# Allegro board 8880F5-0825_4.brd (continued)
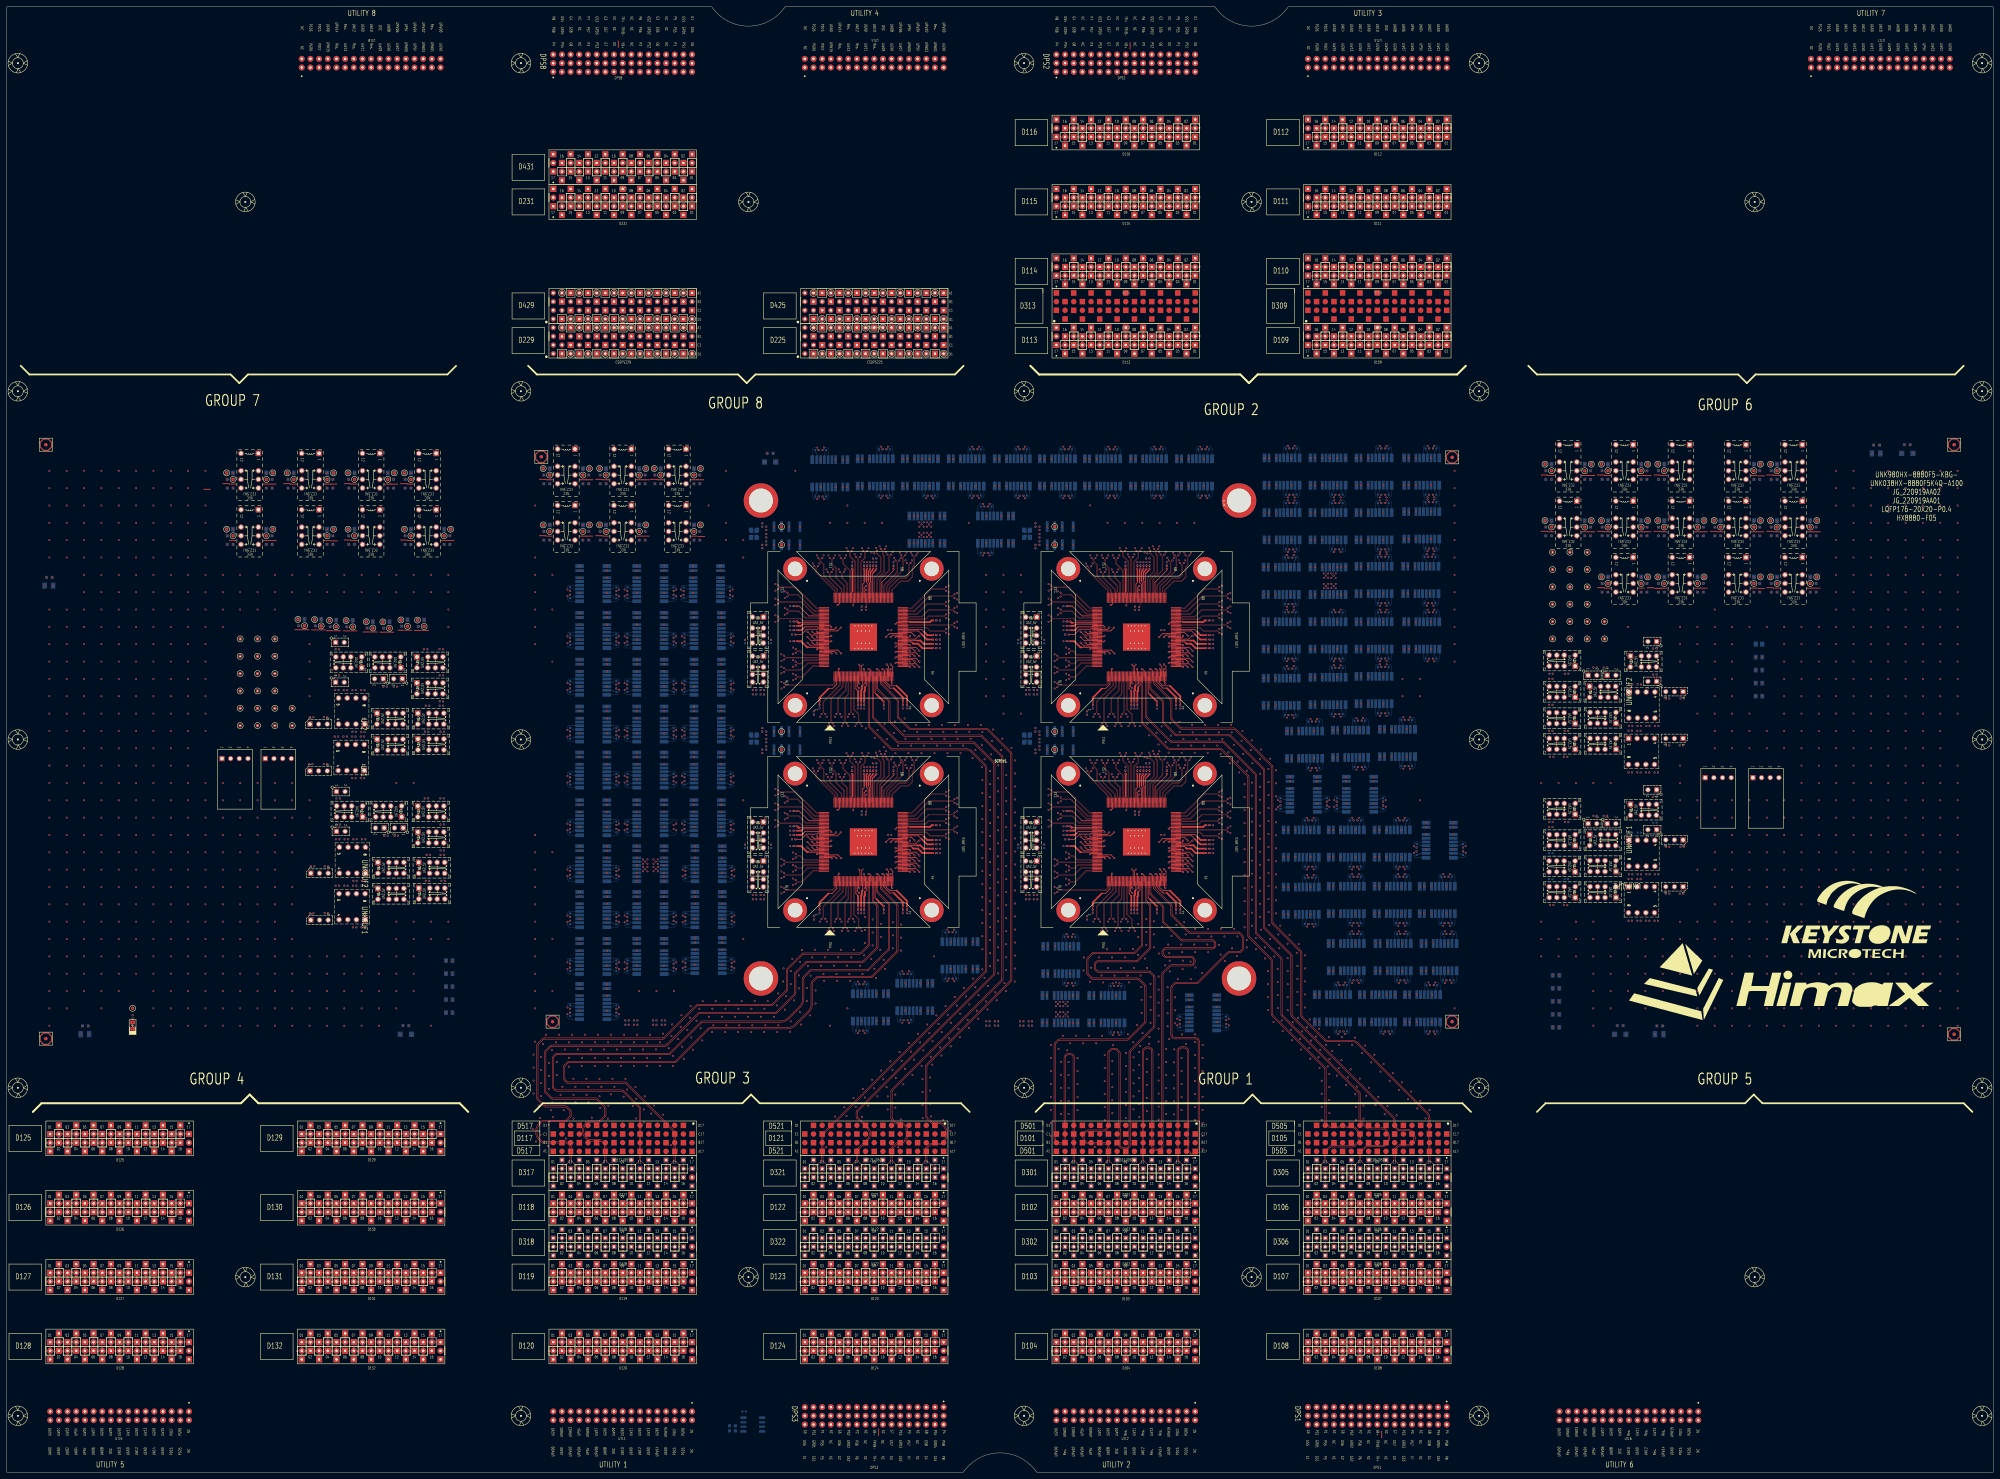
[diagram p0: board, top side]
## Routing (per net, layer and track width the routed paths; a pad name or vN(x,y) marks a point on that pad's centre or on a via; arc(x,y) is an arc through that point) (continued)
; 390.35,19.05 DPS1.C05 ; DPS1.C05 391.97,19.05 ; DPS1.C05 391.16,19.86 ; DPS1.C05 391.16,18.24 ; D106.A5 391.16,74.47 ; D106.A5 391.16,72.85 ; D106.A5 391.97,73.66 ; D106.A5 390.35,73.66 ; D114.B15 312.42,351.33 ; D114.B15 313.23,350.52 ; D114.B15 311.61,350.52 ; D114.B15 312.42,349.71 ; D306.B5 391.87,68.58 ; D306.B5 390.45,68.58 ; D306.B5 391.16,69.29 ; D306.B5 391.16,67.87 ; 195.58,83.11 D317.A15 ; D317.A15 194.87,83.82 ; D317.A15 195.58,84.53 ; D317.A15 196.29,83.82 ; SITE1.G4 251.81,241.33 ; SITE1.G4 250.85,241.33 ; SITE1.G4 251.33,241.81 ; SITE1.G4 251.33,240.85 ; 40.64,39.83 D128.B12 ; D128.B12 39.83,40.64 ; D128.B12 40.64,41.45 ; D128.B12 41.45,40.64 ; 337.82,395.43 D116.A5 ; D116.A5 337.01,396.24 ; D116.A5 337.82,397.05 ; D116.A5 338.63,396.24 ; D122.A15 270.05,73.66 ; D122.A15 268.43,73.66 ; D122.A15 269.24,74.47 ; D122.A15 269.24,72.85 ; D110.B14 388.62,348.79 ; D110.B14 388.62,347.17 ; D110.B14 389.43,347.98 ; D110.B14 387.81,347.98 ; CSDPS229.B16 163.37,332.74 ; CSDPS229.B16 161.75,332.74 ; CSDPS229.B16 162.56,331.93 ; CSDPS229.B16 162.56,333.55 ; D115.B6 336.09,368.3 ; D115.B6 334.47,368.3 ; D115.B6 335.28,369.11 ; D115.B6 335.28,367.49 ; D102.B11 333.55,78.74 ; D102.B11 332.74,79.55 ; D102.B11 331.93,78.74 ; D102.B11 332.74,77.93 ; SITE4.G11 332.33,188.41 ; SITE4.G11 332.81,187.93 ; SITE4.G11 331.85,187.93 ; SITE4.G11 332.33,187.45 ; D128.A12 41.45,35.56 ; D128.A12 40.64,34.75 ; D128.A12 39.83,35.56 ; D128.A12 40.64,36.37 ; D127.B4 20.32,61.77 ; D127.B4 21.13,60.96 ; D127.B4 19.51,60.96 ; D127.B4 20.32,60.15 ; D321.A14 266.7,87.07 ; D321.A14 265.99,86.36 ; D321.A14 267.41,86.36 ; D321.A14 266.7,85.65 ; D107.B3 386.08,59.23 ; D107.B3 386.89,58.42 ; D107.B3 386.08,57.61 ; D107.B3 385.27,58.42 ; D301.B2 309.88,92.15 ; D301.B2 309.88,90.73 ; D301.B2 310.59,91.44 ; D301.B2 309.17,91.44 ; 383.54,90.73 D305.B2 ; D305.B2 382.83,91.44 ; D305.B2 384.25,91.44 ; D305.B2 383.54,92.15 ; SITE2.G8 329.33,248.41 ; SITE2.G8 328.85,247.93 ; SITE2.G8 329.81,247.93 ; SITE2.G8 329.33,247.45 ; D301.B7 322.58,89.61 ; D301.B7 323.29,88.9 ; D301.B7 321.87,88.9 ; D301.B7 322.58,88.19 ; 179.53,386.08 D431.A9 ; D431.A9 180.34,386.89 ; D431.A9 181.15,386.08 ; D431.A9 180.34,385.27 ; 86.36,98.25 D129.B1 ; D129.B1 85.55,99.06 ; D129.B1 86.36,99.87 ; D129.B1 87.17,99.06 ; 99.06,60.15 D131.B6 ; D131.B6 98.25,60.96 ; D131.B6 99.06,61.77 ; D131.B6 99.87,60.96 ; 171.91,55.88 D119.A6 ; D119.A6 172.72,55.07 ; D119.A6 173.53,55.88 ; D119.A6 172.72,56.69 ; 332.74,57.61 D103.B11 ; D103.B11 332.74,59.23 ; D103.B11 331.93,58.42 ; D103.B11 333.55,58.42 ; 398.78,331.93 D109.A10 ; D109.A10 399.59,332.74 ; D109.A10 397.97,332.74 ; D109.A10 398.78,333.55 ; D102.B1 307.34,79.55 ; D102.B1 308.15,78.74 ; D102.B1 306.53,78.74 ; D102.B1 307.34,77.93 ; D123.A16 271.78,56.69 ; D123.A16 271.78,55.07 ; D123.A16 270.97,55.88 ; D123.A16 272.59,55.88 ; 415.85,68.58 D306.B15 ; D306.B15 416.56,67.87 ; D306.B15 416.56,69.29 ; D306.B15 417.27,68.58 ; D322.B16 271.78,71.83 ; D322.B16 272.49,71.12 ; D322.B16 271.78,70.41 ; D322.B16 271.07,71.12 ; 332.15,242.83 SITE2.G16 ; SITE2.G16 332.63,242.35 ; SITE2.G16 332.63,243.31 ; SITE2.G16 333.11,242.83 ; D317.A3 165.1,84.53 ; D317.A3 165.1,83.11 ; D317.A3 164.39,83.82 ; D317.A3 165.81,83.82 ; D122.A4 242.11,76.2 ; D122.A4 241.3,77.01 ; D122.A4 241.3,75.39 ; D122.A4 240.49,76.2 ; 249.03,242.35 SITE1.G13 ; SITE1.G13 249.03,243.31 ; SITE1.G13 249.51,242.83 ; SITE1.G13 248.55,242.83 ; D114.A9 328.47,355.6 ; D114.A9 326.85,355.6 ; D114.A9 327.66,356.41 ; D114.A9 327.66,354.79 ; D104.A2 309.88,36.37 ; D104.A2 310.69,35.56 ; D104.A2 309.88,34.75 ; D104.A2 309.07,35.56 ; 195.58,37.29 D120.B15 ; D120.B15 196.39,38.1 ; D120.B15 194.77,38.1 ; D120.B15 195.58,38.91 ; D124.A1 234.49,33.02 ; D124.A1 233.68,33.83 ; D124.A1 233.68,32.21 ; D124.A1 232.87,33.02 ; 259.08,57.61 D123.B11 ; D123.B11 258.27,58.42 ; D123.B11 259.89,58.42 ; D123.B11 259.08,59.23 ; 241.3,80.47 D122.B4 ; D122.B4 241.3,82.09 ; D122.B4 242.11,81.28 ; D122.B4 240.49,81.28 ; 268.43,340.36 CSDPS425.C3 ; CSDPS425.C3 269.24,341.17 ; CSDPS425.C3 269.24,339.55 ; CSDPS425.C3 270.05,340.36 ; 45.72,100.79 D125.B14 ; D125.B14 44.91,101.6 ; D125.B14 46.53,101.6 ; D125.B14 45.72,102.41 ; 189.69,33.02 D120.A13 ; D120.A13 191.31,33.02 ; D120.A13 190.5,33.83 ; D120.A13 190.5,32.21 ; D110.A16 384.35,353.06 ; D110.A16 382.73,353.06 ; D110.A16 383.54,353.87 ; D110.A16 383.54,352.25 ; UNK2U2.4 482.49,215.88 ; UNK2U2.4 482.49,214 ; UNK2U2.4 483.43,214.94 ; UNK2U2.4 481.55,214.94 ; D132.A6 99.87,35.56 ; D132.A6 99.06,34.75 ; D132.A6 99.06,36.37 ; D132.A6 98.25,35.56 ; 387.81,40.64 D108.B4 ; D108.B4 388.62,39.83 ; D108.B4 389.43,40.64 ; D108.B4 388.62,41.45 ; D306.A15 417.27,63.5 ; D306.A15 416.56,64.21 ; D306.A15 415.85,63.5 ; D306.A15 416.56,62.79 ; UNK3U1.4 98.23,161.85 ; UNK3U1.4 97.29,162.79 ; UNK3U1.4 96.35,161.85 ; UNK3U1.4 97.29,160.91 ; SITE3.G13 249.51,182.83 ; SITE3.G13 249.03,182.35 ; SITE3.G13 248.55,182.83 ; SITE3.G13 249.03,183.31 ; 197.31,40.64 D120.B16 ; D120.B16 198.12,39.83 ; D120.B16 198.93,40.64 ; D120.B16 198.12,41.45 ; D124.B1 233.68,38.91 ; D124.B1 232.87,38.1 ; D124.B1 233.68,37.29 ; D124.B1 234.49,38.1 ; 187.96,60.15 D119.B12 ; D119.B12 187.15,60.96 ; D119.B12 187.96,61.77 ; D119.B12 188.77,60.96 ; CSDPS225.B12 246.38,333.55 ; CSDPS225.B12 246.38,331.93 ; CSDPS225.B12 247.19,332.74 ; CSDPS225.B12 245.57,332.74 ; D130.B9 106.68,79.55 ; D130.B9 107.49,78.74 ; D130.B9 106.68,77.93 ; D130.B9 105.87,78.74 ; DPS8.A15 165.91,415.29 ; DPS8.A15 164.29,415.29 ; DPS8.A15 165.1,414.48 ; DPS8.A15 165.1,416.1 ; 176.99,55.88 D119.A8 ; D119.A8 178.61,55.88 ; D119.A8 177.8,56.69 ; D119.A8 177.8,55.07 ; D124.A12 261.62,36.37 ; D124.A12 261.62,34.75 ; D124.A12 262.43,35.56 ; D124.A12 260.81,35.56 ; 233.68,67.87 D322.B1 ; D322.B1 234.39,68.58 ; D322.B1 232.97,68.58 ; D322.B1 233.68,69.29 ; 124.46,39.83 D132.B16 ; D132.B16 125.27,40.64 ; D132.B16 124.46,41.45 ; D132.B16 123.65,40.64 ; D107.B13 412.29,58.42 ; D107.B13 410.67,58.42 ; D107.B13 411.48,57.61 ; D107.B13 411.48,59.23 ; D115.B12 320.04,369.11 ; D115.B12 319.23,368.3 ; D115.B12 320.85,368.3 ; D115.B12 320.04,367.49 ; D120.A6 172.72,36.37 ; D120.A6 171.91,35.56 ; D120.A6 172.72,34.75 ; D120.A6 173.53,35.56 ; D318.A16 198.83,66.04 ; D318.A16 198.12,65.33 ; D318.A16 197.41,66.04 ; D318.A16 198.12,66.75 ; 263.45,88.9 D321.B13 ; D321.B13 264.16,88.19 ; D321.B13 264.16,89.61 ; D321.B13 264.87,88.9 ; 482.59,227.61 UNK2U1.4 ; UNK2U1.4 481.65,228.55 ; UNK2U1.4 482.59,229.49 ; UNK2U1.4 483.53,228.55 ; D110.B9 401.32,351.33 ; D110.B9 401.32,349.71 ; D110.B9 402.13,350.52 ; D110.B9 400.51,350.52 ; D317.B9 180.34,89.61 ; D317.B9 179.63,88.9 ; D317.B9 180.34,88.19 ; D317.B9 181.05,88.9 ; SITE3.G16 253.11,182.83 ; SITE3.G16 252.63,182.35 ; SITE3.G16 252.63,183.31 ; SITE3.G16 252.15,182.83 ; 166.83,373.38 D231.A14 ; D231.A14 167.64,372.57 ; D231.A14 167.64,374.19 ; D231.A14 168.45,373.38 ; D115.A5 337.82,376.73 ; D115.A5 338.63,375.92 ; D115.A5 337.82,375.11 ; D115.A5 337.01,375.92 ; D305.B4 389.33,91.44 ; D305.B4 387.91,91.44 ; D305.B4 388.62,92.15 ; D305.B4 388.62,90.73 ; D130.B16 124.46,82.09 ; D130.B16 124.46,80.47 ; D130.B16 123.65,81.28 ; D130.B16 125.27,81.28 ; 245.67,66.04 D322.A6 ; D322.A6 246.38,66.75 ; D322.A6 246.38,65.33 ; D322.A6 247.09,66.04 ; D122.A9 254,74.47 ; D122.A9 254.81,73.66 ; D122.A9 254,72.85 ; D122.A9 253.19,73.66 ; D104.B16 346.25,40.64 ; D104.B16 345.44,39.83 ; D104.B16 344.63,40.64 ; D104.B16 345.44,41.45 ; 245.57,40.64 D124.B6 ; D124.B6 247.19,40.64 ; D124.B6 246.38,39.83 ; D124.B6 246.38,41.45 ; D317.B13 190.5,89.61 ; D317.B13 190.5,88.19 ; D317.B13 191.21,88.9 ; D317.B13 189.79,88.9 ; D302.A7 322.58,64.21 ; D302.A7 321.87,63.5 ; D302.A7 322.58,62.79 ; D302.A7 323.29,63.5 ; D132.B2 89.71,40.64 ; D132.B2 88.09,40.64 ; D132.B2 88.9,41.45 ; D132.B2 88.9,39.83 ; D107.A2 383.54,56.69 ; D107.A2 383.54,55.07 ; D107.A2 382.73,55.88 ; D107.A2 384.35,55.88 ; D431.B16 163.37,378.46 ; D431.B16 161.75,378.46 ; D431.B16 162.56,379.27 ; D431.B16 162.56,377.65 ; D120.B5 170.99,38.1 ; D120.B5 170.18,38.91 ; D120.B5 170.18,37.29 ; D120.B5 169.37,38.1 ; 95.71,38.1 D132.B5 ; D132.B5 97.33,38.1 ; D132.B5 96.52,37.29 ; D132.B5 96.52,38.91 ; D115.B1 348.79,370.84 ; D115.B1 347.98,371.65 ; D115.B1 347.98,370.03 ; D115.B1 347.17,370.84 ; 403.05,388.62 D112.B8 ; D112.B8 403.86,389.43 ; D112.B8 404.67,388.62 ; D112.B8 403.86,387.81 ; 326.95,88.9 D301.B9 ; D301.B9 327.66,88.19 ; D301.B9 328.37,88.9 ; D301.B9 327.66,89.61 ; 175.26,375.11 D231.A11 ; D231.A11 174.45,375.92 ; D231.A11 176.07,375.92 ; D231.A11 175.26,376.73 ; D231.B10 178.61,368.3 ; D231.B10 176.99,368.3 ; D231.B10 177.8,369.11 ; D231.B10 177.8,367.49 ; D231.A7 185.42,376.73 ; D231.A7 185.42,375.11 ; D231.A7 186.23,375.92 ; D231.A7 184.61,375.92 ; 319.23,60.96 D103.B6 ; D103.B6 320.85,60.96 ; D103.B6 320.04,60.15 ; D103.B6 320.04,61.77 ; D122.A8 251.46,77.01 ; D122.A8 251.46,75.39 ; D122.A8 250.65,76.2 ; D122.A8 252.27,76.2 ; D106.B5 391.97,78.74 ; D106.B5 391.16,77.93 ; D106.B5 391.16,79.55 ; D106.B5 390.35,78.74 ; D110.B10 398.78,348.79 ; D110.B10 398.78,347.17 ; D110.B10 399.59,347.98 ; D110.B10 397.97,347.98 ; 382.83,71.12 D306.B2 ; D306.B2 384.25,71.12 ; D306.B2 383.54,70.41 ; D306.B2 383.54,71.83 ; D131.B3 92.25,58.42 ; D131.B3 91.44,59.23 ; D131.B3 91.44,57.61 ; D131.B3 90.63,58.42 ; D131.A12 115.11,55.88 ; D131.A12 114.3,56.69 ; D131.A12 114.3,55.07 ; D131.A12 113.49,55.88 ; 388.62,60.15 D107.B4 ; D107.B4 387.81,60.96 ; D107.B4 388.62,61.77 ; D107.B4 389.43,60.96 ; CSDPS229.C11 175.26,331.01 ; CSDPS229.C11 174.45,330.2 ; CSDPS229.C11 176.07,330.2 ; CSDPS229.C11 175.26,329.39 ; 258.27,19.05 DPS3.C11 ; DPS3.C11 259.08,18.24 ; DPS3.C11 259.89,19.05 ; DPS3.C11 259.08,19.86 ; 408.13,76.2 D106.A12 ; D106.A12 408.94,77.01 ; D106.A12 408.94,75.39 ; D106.A12 409.75,76.2 ; 86.36,93.17 D129.A1 ; D129.A1 85.55,93.98 ; D129.A1 86.36,94.79 ; D129.A1 87.17,93.98 ; 398.78,60.15 D107.B8 ; D107.B8 397.97,60.96 ; D107.B8 399.59,60.96 ; D107.B8 398.78,61.77 ; 388.62,326.85 D109.B14 ; D109.B14 389.43,327.66 ; D109.B14 387.81,327.66 ; D109.B14 388.62,328.47 ; D106.A10 404.67,76.2 ; D106.A10 403.86,77.01 ; D106.A10 403.05,76.2 ; D106.A10 403.86,75.39 ; 35.56,95.71 D125.A10 ; D125.A10 35.56,97.33 ; D125.A10 34.75,96.52 ; D125.A10 36.37,96.52 ; 159.21,38.1 D120.B1 ; D120.B1 160.02,38.91 ; D120.B1 160.83,38.1 ; D120.B1 160.02,37.29 ; 169.47,63.5 D318.A5 ; D318.A5 170.18,62.79 ; D318.A5 170.18,64.21 ; D318.A5 170.89,63.5 ; 317.5,57.61 D103.B5 ; D103.B5 318.31,58.42 ; D103.B5 317.5,59.23 ; D103.B5 316.69,58.42 ; 316.79,63.5 D302.A5 ; D302.A5 318.21,63.5 ; D302.A5 317.5,64.21 ; D302.A5 317.5,62.79 ; 393.7,372.57 D111.A12 ; D111.A12 394.51,373.38 ; D111.A12 392.89,373.38 ; D111.A12 393.7,374.19 ; 169.37,330.2 CSDPS229.C13 ; CSDPS229.C13 170.99,330.2 ; CSDPS229.C13 170.18,329.39 ; CSDPS229.C13 170.18,331.01 ; 266.7,342.09 CSDPS425.B4 ; CSDPS425.B4 267.51,342.9 ; CSDPS425.B4 266.7,343.71 ; CSDPS425.B4 265.89,342.9 ; 392.99,66.04 D306.A6 ; D306.A6 393.7,65.33 ; D306.A6 394.41,66.04 ; D306.A6 393.7,66.75 ; 392.89,347.98 D110.B12 ; D110.B12 393.7,348.79 ; D110.B12 394.51,347.98 ; D110.B12 393.7,347.17 ; D128.B3 17.78,38.91 ; D128.B3 16.97,38.1 ; D128.B3 17.78,37.29 ; D128.B3 18.59,38.1 ; 317.5,72.85 D102.A5 ; D102.A5 318.31,73.66 ; D102.A5 317.5,74.47 ; D102.A5 316.69,73.66 ; D118.A10 183.69,76.2 ; D118.A10 182.88,75.39 ; D118.A10 182.88,77.01 ; D118.A10 182.07,76.2 ; 189.79,68.58 D318.B13 ; D318.B13 190.5,67.87 ; D318.B13 190.5,69.29 ; D318.B13 191.21,68.58 ; D231.B9 181.15,370.84 ; D231.B9 179.53,370.84 ; D231.B9 180.34,371.65 ; D231.B9 180.34,370.03 ; D302.A16 346.15,66.04 ; D302.A16 345.44,66.75 ; D302.A16 344.73,66.04 ; D302.A16 345.44,65.33 ; D120.B6 172.72,41.45 ; D120.B6 171.91,40.64 ; D120.B6 173.53,40.64 ; D120.B6 172.72,39.83 ; D306.A4 389.33,66.04 ; D306.A4 387.91,66.04 ; D306.A4 388.62,65.33 ; D306.A4 388.62,66.75 ; D131.A16 124.46,56.69 ; D131.A16 125.27,55.88 ; D131.A16 124.46,55.07 ; D131.A16 123.65,55.88 ; D322.B8 252.17,71.12 ; D322.B8 251.46,70.41 ; D322.B8 251.46,71.83 ; D322.B8 250.75,71.12 ; D122.B9 254.81,78.74 ; D122.B9 253.19,78.74 ; D122.B9 254,77.93 ; D122.B9 254,79.55 ; D102.B15 343.71,78.74 ; D102.B15 342.09,78.74 ; D102.B15 342.9,77.93 ; D102.B15 342.9,79.55 ; CSDPS225.B2 272.59,332.74 ; CSDPS225.B2 270.97,332.74 ; CSDPS225.B2 271.78,331.93 ; CSDPS225.B2 271.78,333.55 ; 403.86,85.65 D305.A10 ; D305.A10 403.86,87.07 ; D305.A10 404.57,86.36 ; D305.A10 403.15,86.36 ; 111.76,32.21 D132.A11 ; D132.A11 111.76,33.83 ; D132.A11 112.57,33.02 ; D132.A11 110.95,33.02 ; D114.B8 330.2,348.79 ; D114.B8 329.39,347.98 ; D114.B8 331.01,347.98 ; D114.B8 330.2,347.17 ; D116.B16 309.88,389.43 ; D116.B16 309.07,388.62 ; D116.B16 309.88,387.81 ; D116.B16 310.69,388.62 ; 311.61,375.92 D115.A15 ; D115.A15 313.23,375.92 ; D115.A15 312.42,376.73 ; D115.A15 312.42,375.11 ; 193.04,382.73 D431.A4 ; D431.A4 193.85,383.54 ; D431.A4 193.04,384.35 ; D431.A4 192.23,383.54 ; 342.9,375.11 D115.A3 ; D115.A3 342.09,375.92 ; D115.A3 342.9,376.73 ; D115.A3 343.71,375.92 ; D118.A8 177.8,77.01 ; D118.A8 178.61,76.2 ; D118.A8 176.99,76.2 ; D118.A8 177.8,75.39 ; 406.4,354.79 D110.A7 ; D110.A7 406.4,356.41 ; D110.A7 405.59,355.6 ; D110.A7 407.21,355.6 ; D305.A16 419.81,86.36 ; D305.A16 419.1,85.65 ; D305.A16 418.39,86.36 ; D305.A16 419.1,87.07 ; 90.63,73.66 D130.A3 ; D130.A3 91.44,72.85 ; D130.A3 92.25,73.66 ; D130.A3 91.44,74.47 ; 32.21,73.66 D126.A9 ; D126.A9 33.02,74.47 ; D126.A9 33.02,72.85 ; D126.A9 33.83,73.66 ; D123.A7 248.92,54.15 ; D123.A7 248.11,53.34 ; D123.A7 249.73,53.34 ; D123.A7 248.92,52.53 ; CSDPS429.B16 163.37,342.9 ; CSDPS429.B16 161.75,342.9 ; CSDPS429.B16 162.56,342.09 ; CSDPS429.B16 162.56,343.71 ; D102.A12 335.28,77.01 ; D102.A12 334.47,76.2 ; D102.A12 336.09,76.2 ; D102.A12 335.28,75.39 ; D318.A13 190.5,64.21 ; D318.A13 191.21,63.5 ; D318.A13 189.79,63.5 ; D318.A13 190.5,62.79 ; D305.A14 414.73,86.36 ; D305.A14 414.02,87.07 ; D305.A14 414.02,85.65 ; D305.A14 413.31,86.36 ; 339.65,71.12 D302.B14 ; D302.B14 340.36,70.41 ; D302.B14 340.36,71.83 ; D302.B14 341.07,71.12 ; 167.64,85.65 D317.A4 ; D317.A4 167.64,87.07 ; D317.A4 168.35,86.36 ; D317.A4 166.93,86.36 ; 269.24,13.16 DPS3.A15 ; DPS3.A15 269.24,14.78 ; DPS3.A15 270.05,13.97 ; DPS3.A15 268.43,13.97 ; 385.27,38.1 D108.B3 ; D108.B3 386.08,37.29 ; D108.B3 386.08,38.91 ; D108.B3 386.89,38.1 ; D302.A4 315.67,66.04 ; D302.A4 314.96,66.75 ; D302.A4 314.25,66.04 ; D302.A4 314.96,65.33 ; 317.5,67.87 D302.B5 ; D302.B5 316.79,68.58 ; D302.B5 318.21,68.58 ; D302.B5 317.5,69.29 ; D318.B3 165.1,69.29 ; D318.B3 164.39,68.58 ; D318.B3 165.1,67.87 ; D318.B3 165.81,68.58 ; 344.63,373.38 D115.A2 ; D115.A2 345.44,372.57 ; D115.A2 346.25,373.38 ; D115.A2 345.44,374.19 ; 248.92,32.21 D124.A7 ; D124.A7 249.73,33.02 ; D124.A7 248.11,33.02 ; D124.A7 248.92,33.83 ; D113.A1 347.98,336.09 ; D113.A1 347.98,334.47 ; D113.A1 347.17,335.28 ; D113.A1 348.79,335.28 ; 15.24,34.75 D128.A2 ; D128.A2 15.24,36.37 ; D128.A2 16.05,35.56 ; D128.A2 14.43,35.56 ; 195.58,57.61 D119.B15 ; D119.B15 194.77,58.42 ; D119.B15 195.58,59.23 ; D119.B15 196.39,58.42 ; 322.58,334.47 D113.A11 ; D113.A11 321.77,335.28 ; D113.A11 323.39,335.28 ; D113.A11 322.58,336.09 ; 386.08,390.35 D112.B15 ; D112.B15 385.27,391.16 ; D112.B15 386.89,391.16 ; D112.B15 386.08,391.97 ; D113.A16 309.88,333.55 ; D113.A16 310.69,332.74 ; D113.A16 309.88,331.93 ; D113.A16 309.07,332.74 ; D129.B6 99.87,101.6 ; D129.B6 99.06,100.79 ; D129.B6 98.25,101.6 ; D129.B6 99.06,102.41 ; D129.A10 109.22,97.33 ; D129.A10 110.03,96.52 ; D129.A10 108.41,96.52 ; D129.A10 109.22,95.71 ; D114.A6 335.28,353.87 ; D114.A6 336.09,353.06 ; D114.A6 334.47,353.06 ; D114.A6 335.28,352.25 ; D301.A11 333.45,83.82 ; D301.A11 332.74,84.53 ; D301.A11 332.03,83.82 ; D301.A11 332.74,83.11 ; 419.1,387.81 D112.B2 ; D112.B2 419.1,389.43 ; D112.B2 419.91,388.62 ; D112.B2 418.29,388.62 ; D120.B10 183.69,40.64 ; D120.B10 182.07,40.64 ; D120.B10 182.88,41.45 ; D120.B10 182.88,39.83 ; 322.58,395.43 D116.A11 ; D116.A11 323.39,396.24 ; D116.A11 321.77,396.24 ; D116.A11 322.58,397.05 ; D125.A16 50.8,97.33 ; D125.A16 51.61,96.52 ; D125.A16 49.99,96.52 ; D125.A16 50.8,95.71 ; 179.53,381 D431.B9 ; D431.B9 181.15,381 ; D431.B9 180.34,380.19 ; D431.B9 180.34,381.81 ; 187.96,85.65 D317.A12 ; D317.A12 187.25,86.36 ; D317.A12 187.96,87.07 ; D317.A12 188.67,86.36 ; D305.A1 381.71,83.82 ; D305.A1 380.29,83.82 ; D305.A1 381,84.53 ; D305.A1 381,83.11 ; 193.04,372.57 D231.A4 ; D231.A4 192.23,373.38 ; D231.A4 193.04,374.19 ; D231.A4 193.85,373.38 ; 108.41,81.28 D130.B10 ; D130.B10 110.03,81.28 ; D130.B10 109.22,80.47 ; D130.B10 109.22,82.09 ; 164.29,340.36 CSDPS429.C15 ; CSDPS429.C15 165.91,340.36 ; CSDPS429.C15 165.1,341.17 ; CSDPS429.C15 165.1,339.55 ; 11.89,58.42 D127.B1 ; D127.B1 12.7,59.23 ; D127.B1 12.7,57.61 ; D127.B1 13.51,58.42 ; D120.A3 165.1,33.83 ; D120.A3 165.91,33.02 ; D120.A3 165.1,32.21 ; D120.A3 164.29,33.02 ; 175.26,32.21 D120.A7 ; D120.A7 174.45,33.02 ; D120.A7 176.07,33.02 ; D120.A7 175.26,33.83 ; D321.B3 238.76,89.61 ; D321.B3 238.05,88.9 ; D321.B3 239.47,88.9 ; D321.B3 238.76,88.19 ; D131.B15 121.92,59.23 ; D131.B15 121.11,58.42 ; D131.B15 122.73,58.42 ; D131.B15 121.92,57.61 ; 39.83,81.28 D126.B12 ; D126.B12 41.45,81.28 ; D126.B12 40.64,80.47 ; D126.B12 40.64,82.09 ; D231.B8 182.88,369.11 ; D231.B8 182.88,367.49 ; D231.B8 182.07,368.3 ; D231.B8 183.69,368.3 ; D305.B16 419.81,91.44 ; D305.B16 418.39,91.44 ; D305.B16 419.1,92.15 ; D305.B16 419.1,90.73 ; 113.49,76.2 D130.A12 ; D130.A12 114.3,75.39 ; D130.A12 114.3,77.01 ; D130.A12 115.11,76.2 ; 243.84,32.21 D124.A5 ; D124.A5 244.65,33.02 ; D124.A5 243.03,33.02 ; D124.A5 243.84,33.83 ; 330.2,80.47 D102.B10 ; D102.B10 329.39,81.28 ; D102.B10 330.2,82.09 ; D102.B10 331.01,81.28 ; 238.05,68.58 D322.B3 ; D322.B3 238.76,67.87 ; D322.B3 239.47,68.58 ; D322.B3 238.76,69.29 ; D124.B9 254,38.91 ; D124.B9 253.19,38.1 ; D124.B9 254,37.29 ; D124.B9 254.81,38.1 ; CSDPS425.B12 246.38,343.71 ; CSDPS425.B12 245.57,342.9 ; CSDPS425.B12 247.19,342.9 ; CSDPS425.B12 246.38,342.09 ; 200.66,329.39 CSDPS229.C1 ; CSDPS229.C1 200.66,331.01 ; CSDPS229.C1 199.85,330.2 ; CSDPS229.C1 201.47,330.2 ; D111.B11 396.24,371.65 ; D111.B11 396.24,370.03 ; D111.B11 395.43,370.84 ; D111.B11 397.05,370.84 ; D103.A5 318.31,53.34 ; D103.A5 316.69,53.34 ; D103.A5 317.5,54.15 ; D103.A5 317.5,52.53 ; 49.99,101.6 D125.B16 ; D125.B16 50.8,102.41 ; D125.B16 50.8,100.79 ; D125.B16 51.61,101.6 ; D114.B13 317.5,351.33 ; D114.B13 317.5,349.71 ; D114.B13 318.31,350.52 ; D114.B13 316.69,350.52 ; D127.A2 15.24,56.69 ; D127.A2 15.24,55.07 ; D127.A2 16.05,55.88 ; D127.A2 14.43,55.88 ; D118.A3 165.1,74.47 ; D118.A3 164.29,73.66 ; D118.A3 165.91,73.66 ; D118.A3 165.1,72.85 ; 161.75,383.54 D431.A16 ; D431.A16 163.37,383.54 ; D431.A16 162.56,382.73 ; D431.A16 162.56,384.35 ; D125.A15 49.07,93.98 ; D125.A15 48.26,93.17 ; D125.A15 47.45,93.98 ; D125.A15 48.26,94.79 ; 314.15,373.38 D115.A14 ; D115.A14 314.96,374.19 ; D115.A14 315.77,373.38 ; D115.A14 314.96,372.57 ; 198.12,382.73 D431.A2 ; D431.A2 198.93,383.54 ; D431.A2 197.31,383.54 ; D431.A2 198.12,384.35 ; 418.29,347.98 D110.B2 ; D110.B2 419.1,347.17 ; D110.B2 419.91,347.98 ; D110.B2 419.1,348.79 ; D318.A6 173.43,66.04 ; D318.A6 172.72,66.75 ; D318.A6 172.01,66.04 ; D318.A6 172.72,65.33 ; D108.B8 398.78,41.45 ; D108.B8 398.78,39.83 ; D108.B8 399.59,40.64 ; D108.B8 397.97,40.64 ; 325.12,34.75 D104.A8 ; D104.A8 325.12,36.37 ; D104.A8 324.31,35.56 ; D104.A8 325.93,35.56 ; D116.A4 340.36,394.51 ; D116.A4 339.55,393.7 ; D116.A4 341.17,393.7 ; D116.A4 340.36,392.89 ; 233.68,18.24 DPS3.C01 ; DPS3.C01 233.68,19.86 ; DPS3.C01 234.49,19.05 ; DPS3.C01 232.87,19.05 ; 248.33,240.85 SITE1.G1 ; SITE1.G1 248.81,241.33 ; SITE1.G1 248.33,241.81 ; SITE1.G1 247.85,241.33 ; D305.A11 406.4,84.53 ; D305.A11 406.4,83.11 ; D305.A11 405.69,83.82 ; D305.A11 407.11,83.82 ; 418.39,66.04 D306.A16 ; D306.A16 419.81,66.04 ; D306.A16 419.1,65.33 ; D306.A16 419.1,66.75 ; 258.27,38.1 D124.B11 ; D124.B11 259.08,37.29 ; D124.B11 259.89,38.1 ; D124.B11